# Altium PCB ASM001-design.PcbDoc (part 1 of 2) (continued)
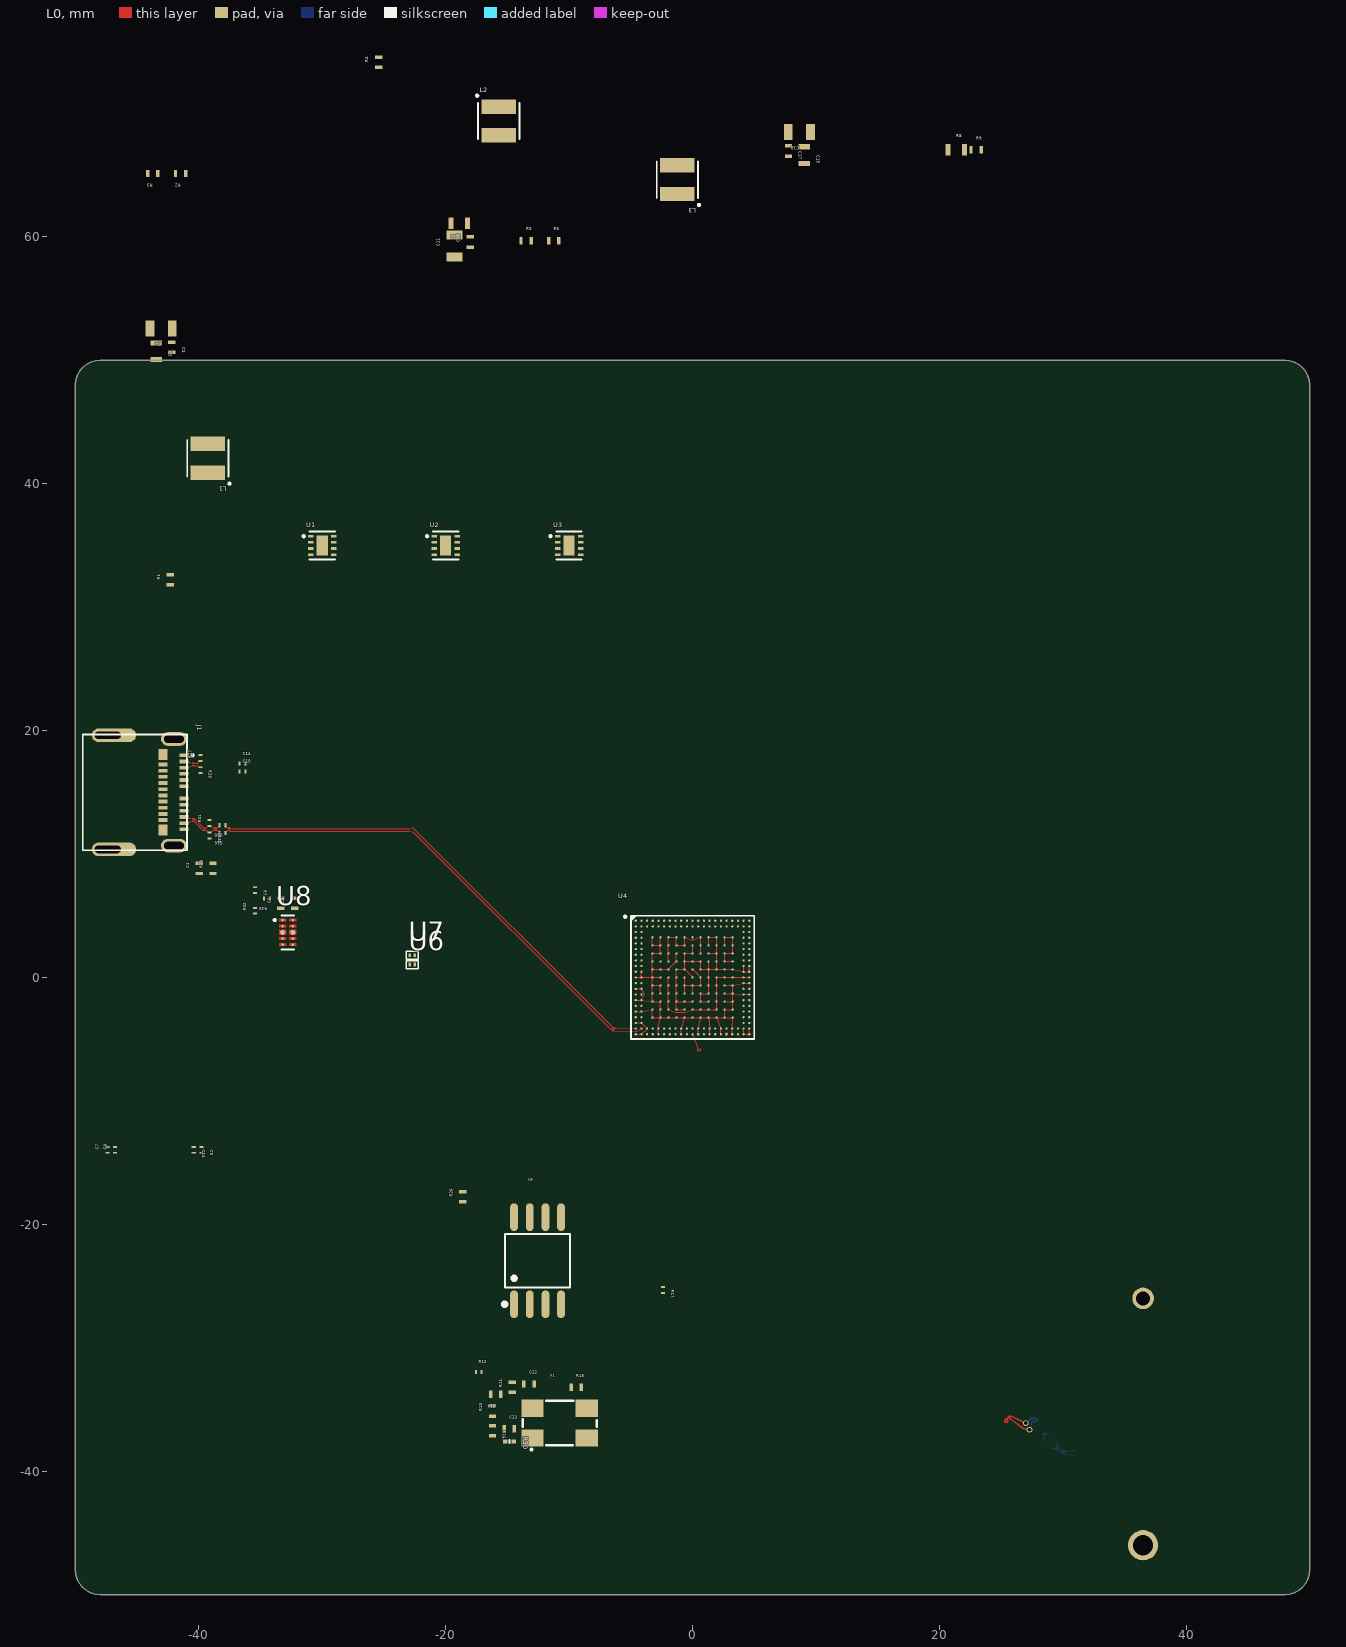
[diagram p0: L0 view]
## Classes and differential pairs
component class ASM001-design-1: C35 C36 J1 U5 U6 U7
component class ASM001-design-4: C22 C23 R10 R11 R12 R13 R14 R15 R16 X1
component class ASM001-design-2: C1 C2 C3 C4 C5 C6 C7 C8 C9 C10 C11 C12 C13 C14 C15 C16 C17 C18 C19 C20 JITX1 L1 L2 L3 R1 R2 R3 R4 R5 R6 R7 R8 R9 R17 R26 R27 R28 R29 R30 R31 R32 R33 TXT1 U1 U2 U3 U8
component class ASM001-design-5: J2
component class ASM001-design-3: U4
differential pair X_B: +X_B_P -X_B_N
differential pair asm2464pdx_usb-c_lane1_RX: +asm2464pdx_usb-c_lane1_RX_P -asm2464pdx_usb-c_lane1_RX_N
differential pair asm2464pdx_usb-c_lane0_TX: +asm2464pdx_usb-c_lane0_TX_P -asm2464pdx_usb-c_lane0_TX_N
differential pair asm2464pdx_usb-c_lane0_RX: +asm2464pdx_usb-c_lane0_RX_P -asm2464pdx_usb-c_lane0_RX_N
differential pair asm2464pdx_usb-c_data: +asm2464pdx_usb-c_data_P -asm2464pdx_usb-c_data_N

## Components (designator, comment, footprint, x,y, rotation, side; value= is the part's Value field where it differs from the comment)
C1 "C106208$1" Pkg0402$8 -39.957,8.834 r180 top value=4.7n
C2 "C338130" Pkg0402$1 -33.347,6.005 r180 top value=2.2n
C3 "C106208$2" Pkg0402$15 -42.178,51.065 r0 top value=4.7n
C4 "C87997$1" Pkg0805 -43.056,52.593 r270 top value=22u
C5 "C19702$2" Pkg0603$3 -43.456,50.74 r0 top value=10u
C6 "C338130" Pkg0402$1 -32.244,6.005 r180 top value=2.2n
C7 "C76931" Pkg0201 -47.407,-13.965 r180 top value=220n
C8 "C76931" Pkg0201 -46.777,-13.965 r180 top value=220n
C9 "C76931" Pkg0201 -39.782,-13.965 r0 top value=220n
C10 "C106208" Pkg0402$11 -18.017,59.585 r180 top value=4.7n
C11 "C87997" Pkg0805$2 -19.295,59.26 r180 top value=22u
C12 "C19702$1" Pkg0603$2 -18.895,61.113 r270 top value=10u
C13 "C76931" Pkg0201 -40.412,-13.965 r0 top value=220n
C14 "C85926" Pkg0201$3 -36.461,17.323 r90 top value=470n
C15 "C85926" Pkg0201$3 -36.461,16.693 r90 top value=470n
C16 "C85926" Pkg0201$3 -38.076,11.704 r270 top value=470n
C17 "C106208$3" Pkg0402$4 7.774,66.956 r0 top value=4.7n
C18 "C87997$2" Pkg0805$1 8.652,68.484 r270 top value=22u
C19 "C19702" Pkg0603$1 9.052,66.631 r0 top value=10u
C20 "C85926" Pkg0201$3 -38.076,12.334 r270 top value=470n
C22 "C1518208" Pkg0402$2 -13.248,-32.939 r90 top value=1u
C23 "my_capacitor" LP -14.852,-36.571 r90 top value=10p
C35 "block_cap" SMT_0201$1 28.715,-37.789 r220 bottom value=220p
C36 "block_cap" SMT_0201$1 29.274,-37.319 r220 bottom value=220p
J1 "conn_component" USB_TYPE_C_CONNECTOR -45.173,15 r270 top value=2012670005
J2 "component" LP_1_2199230_6 35,-36 r270 bottom value=1-2199230-6
JITX1 "JITX" JITX_SM_LP 10,-5 r180 bottom value=non-BOM
L1 "component$3" MOLDED -39.263,42.065 r180 top value=1u
L2 "component$3" MOLDED -15.702,69.388 r0 top value=1u
L3 "component$3" MOLDED -1.226,64.64 r180 top value=1u
R1 "my_resistor$4" Pkg0402$16 -42.305,32.215 r180 top value=0R
R2 "C364360" Pkg0402$14 -41.478,65.135 r270 top value=6K49
R3 "my_resistor$9" Pkg0402 -43.731,65.135 r270 top value=4K3
R4 "my_resistor$1" Pkg0402$6 -25.428,74.156 r180 top value=0R
R5 "C334647" Pkg0402$9 -13.486,59.686 r90 top value=13K3
R6 "C327340" Pkg0402$13 -11.233,59.686 r90 top value=4K12
R7 "my_resistor" Pkg0201$1 -35.448,7.073 r0 top value=200K
R8 "my_resistor$3" Pkg0603 21.367,67.057 r90 top value=26K1
R9 "my_resistor$6" Pkg0402$7 22.97,67.057 r90 top value=4K12
R10 "C106228" SMT_0201 -14.837,-37.59 r270 top value=0R
R11 "my_resistor$7" Pkg0402$10 -14.602,-33.189 r180 top value=4K7
R12 "my_resistor$8" Pkg0201$2 -17.323,-31.97 r90 top value=100K
R13 "C168199" Pkg0402$5 -16.205,-35.125 r180 top value=12K1
R14 "my_resistor$7" Pkg0402$10 -15.955,-33.772 r270 top value=4K7
R15 "my_resistor$7" Pkg0402$10 -9.409,-33.209 r90 top value=4K7
R16 "my_resistor$7" Pkg0402$10 -16.205,-36.728 r0 top value=4K7
R17 "my_resistor" Pkg0201$1 -2.404,-25.314 r0 top value=200K
R26 "my_resistor$5" Pkg0402$12 -18.613,-17.762 r180 top value=0R
R27 "my_resistor" Pkg0201$1 -39.878,17.78 r180 top value=200K
R28 "my_resistor$2" Pkg0402$3 -38.854,8.834 r180 top value=0R
R29 "my_resistor" Pkg0201$1 -39.878,16.796 r0 top value=200K
R30 "my_resistor" Pkg0201$1 -39.12,11.503 r0 top value=200K
R31 "my_resistor" Pkg0201$1 -39.12,12.523 r180 top value=200K
R32 "my_resistor" Pkg0201$1 -35.448,5.407 r180 top value=200K
R33 "my_resistor" Pkg0201$1 -34.465,6.39 r270 top value=200K
TXT1 "ASM2464PDX_4x_M_2_board___Version_0_2_2025_02_07" TEXT_LP 0,45 r180 bottom value="ASM2464PDX 4x M.2 board | Version 0.2 2025-02-07"
U1 "component$1" SON50P200X200_9N -30,35 r0 top value=TPS62082DSG
U2 "component$1" SON50P200X200_9N -20,35 r0 top value=TPS62082DSG
U3 "component$1" SON50P200X200_9N -10,35 r0 top value=TPS62082DSG
U4 "component$2" BGA273N46P21X21_1000X1000X98 0,0 r0 top value=ASM2464PDX
U5 "C82344" LP$1 -12.553,-22.949 r0 top value=W25Q32JVSSIQ
U6 "C535164" LP$3 -22.708,1.042 r0 top value="ESD132-B1-W0201 E6327"
U7 "C535164" LP$3 -22.708,1.804 r0 top value="ESD132-B1-W0201 E6327"
U8 "device" USON_10 -32.797,3.652 r0 top value=ESD224DQAR
X1 "C1985419" LP$2 -10.767,-36.106 r0 top value=ABMM2-25.000MHZ-D1-T

## Footprints (in the part's own frame and the unit in brackets; to place one, negate y for a bottom-side part, rotate by r counter-clockwise, add the part's x,y. Pads: shape width x height; smd on the part's side, far side on the other; paste and mask are expansions set on the pad)
BGA273N46P21X21_1000X1000X98 [mm] "BGA273N46P21X21_1000X1000X98"
  round 0.18 smd: A1(-4.6,4.6) A2(-4.14,4.6) A3(-3.68,4.6) A4(-3.22,4.6) A5(-2.76,4.6) A6(-2.3,4.6) A7(-1.84,4.6) A8(-1.38,4.6) A9(-0.92,4.6) A10(-0.46,4.6) A11(0,4.6) A12(0.46,4.6) A13(0.92,4.6) A14(1.38,4.6) A15(1.84,4.6) A16(2.3,4.6) A17(2.76,4.6) A18(3.22,4.6) A19(3.68,4.6) A20(4.14,4.6) A21(4.6,4.6) AA1(-4.6,-4.6) AA2(-4.14,-4.6) AA3(-3.68,-4.6) AA4(-3.22,-4.6) AA5(-2.76,-4.6) AA6(-2.3,-4.6) AA7(-1.84,-4.6) AA8(-1.38,-4.6) AA9(-0.92,-4.6) AA10(-0.46,-4.6) AA11(0,-4.6) AA12(0.46,-4.6) AA13(0.92,-4.6) AA14(1.38,-4.6) AA15(1.84,-4.6) AA16(2.3,-4.6) AA17(2.76,-4.6) AA18(3.22,-4.6) AA19(3.68,-4.6) AA20(4.14,-4.6) AA21(4.6,-4.6) B1(-4.6,4.14) B2(-4.14,4.14) B3(-3.68,4.14) B4(-3.22,4.14) B5(-2.76,4.14) B6(-2.3,4.14) B7(-1.84,4.14) B8(-1.38,4.14) B9(-0.92,4.14) B10(-0.46,4.14) B11(0,4.14) B12(0.46,4.14) B13(0.92,4.14) B14(1.38,4.14) B15(1.84,4.14) B16(2.3,4.14) B17(2.76,4.14) B18(3.22,4.14) B19(3.68,4.14) B20(4.14,4.14) B21(4.6,4.14) C1(-4.6,3.68) C2(-4.14,3.68) C20(4.14,3.68) C21(4.6,3.68) D1(-4.6,3.22) D2(-4.14,3.22) D4(-3.25,3.25) D5(-2.6,3.25) D6(-1.95,3.25) D8(-1.3,3.25) D9(-0.65,3.25) D11(0,3.25) D13(0.65,3.25) D14(1.3,3.25) D16(1.95,3.25) D17(2.6,3.25) D18(3.25,3.25) D20(4.14,3.22) D21(4.6,3.22) E1(-4.6,2.76) E2(-4.14,2.76) E4(-3.25,2.6) E5(-2.6,2.6) E6(-1.95,2.6) E8(-1.3,2.6) E9(-0.65,2.6) E11(0,2.6) E13(0.65,2.6) E14(1.3,2.6) E16(1.95,2.6) E17(2.6,2.6) E18(3.25,2.6) E20(4.14,2.76) E21(4.6,2.76) F1(-4.6,2.3) F2(-4.14,2.3) F4(-3.25,1.95) F5(-2.6,1.95) F6(-1.95,1.95) F8(-1.3,1.95) F9(-0.65,1.95) F11(0,1.95) F13(0.65,1.95) F14(1.3,1.95) F16(1.95,1.95) F17(2.6,1.95) F18(3.25,1.95) F20(4.14,2.3) F21(4.6,2.3) G1(-4.6,1.84) G2(-4.14,1.84) G20(4.14,1.84) G21(4.6,1.84) H1(-4.6,1.38) H2(-4.14,1.38) H4(-3.25,1.3) H5(-2.6,1.3) H6(-1.95,1.3) H8(-1.3,1.3) H9(-0.65,1.3) H11(0,1.3) H13(0.65,1.3) H14(1.3,1.3) H16(1.95,1.3) H17(2.6,1.3) H18(3.25,1.3) H20(4.14,1.38) H21(4.6,1.38) J1(-4.6,0.92) J2(-4.14,0.92) J4(-3.25,0.65) J5(-2.6,0.65) J6(-1.95,0.65) J8(-1.3,0.65) J9(-0.65,0.65) J11(0,0.65) J13(0.65,0.65) J14(1.3,0.65) J16(1.95,0.65) J17(2.6,0.65) J18(3.25,0.65) J20(4.14,0.92) J21(4.6,0.92) K1(-4.6,0.46) K2(-4.14,0.46) K20(4.14,0.46) K21(4.6,0.46) L1(-4.6,0) L2(-4.14,0) L4(-3.25,0) L5(-2.6,0) L6(-1.95,0) L8(-1.3,0) L9(-0.65,0) L11(0,0) L13(0.65,0) L14(1.3,0) L16(1.95,0) L17(2.6,0) L18(3.25,0) L20(4.14,0) L21(4.6,0) M1(-4.6,-0.46) M2(-4.14,-0.46) M20(4.14,-0.46) M21(4.6,-0.46) N1(-4.6,-0.92) N2(-4.14,-0.92) N4(-3.25,-0.65) N5(-2.6,-0.65) N6(-1.95,-0.65) N8(-1.3,-0.65) N9(-0.65,-0.65) N11(0,-0.65) N13(0.65,-0.65) N14(1.3,-0.65) N16(1.95,-0.65) N17(2.6,-0.65) N18(3.25,-0.65) N20(4.14,-0.92) N21(4.6,-0.92) P1(-4.6,-1.38) P2(-4.14,-1.38) P4(-3.25,-1.3) P5(-2.6,-1.3) P6(-1.95,-1.3) P8(-1.3,-1.3) P9(-0.65,-1.3) P11(0,-1.3) P13(0.65,-1.3) P14(1.3,-1.3) P16(1.95,-1.3) P17(2.6,-1.3) P18(3.25,-1.3) P20(4.14,-1.38) P21(4.6,-1.38) R1(-4.6,-1.84) R2(-4.14,-1.84) R20(4.14,-1.84) R21(4.6,-1.84) T1(-4.6,-2.3) T2(-4.14,-2.3) T4(-3.25,-1.95) T5(-2.6,-1.95) T6(-1.95,-1.95) T8(-1.3,-1.95) T9(-0.65,-1.95) T11(0,-1.95) T13(0.65,-1.95) T14(1.3,-1.95) T16(1.95,-1.95) T17(2.6,-1.95) T18(3.25,-1.95) T20(4.14,-2.3) T21(4.6,-2.3) U1(-4.6,-2.76) U2(-4.14,-2.76) U4(-3.25,-2.6) U5(-2.6,-2.6) U6(-1.95,-2.6) U8(-1.3,-2.6) U9(-0.65,-2.6) U11(0,-2.6) U13(0.65,-2.6) U14(1.3,-2.6) U16(1.95,-2.6) U17(2.6,-2.6) U18(3.25,-2.6) U20(4.14,-2.76) U21(4.6,-2.76) V1(-4.6,-3.22) V2(-4.14,-3.22) V4(-3.25,-3.25) V5(-2.6,-3.25) V6(-1.95,-3.25) V8(-1.3,-3.25) V9(-0.65,-3.25) V11(0,-3.25) V13(0.65,-3.25) V14(1.3,-3.25) V16(1.95,-3.25) V17(2.6,-3.25) V18(3.25,-3.25) V20(4.14,-3.22) V21(4.6,-3.22) W1(-4.6,-3.68) W2(-4.14,-3.68) W20(4.14,-3.68) W21(4.6,-3.68) Y1(-4.6,-4.14) Y2(-4.14,-4.14) Y3(-3.68,-4.14) Y4(-3.22,-4.14) Y5(-2.76,-4.14) Y6(-2.3,-4.14) Y7(-1.84,-4.14) Y8(-1.38,-4.14) Y9(-0.92,-4.14) Y10(-0.46,-4.14) Y11(0,-4.14) Y12(0.46,-4.14) Y13(0.92,-4.14) Y14(1.38,-4.14) Y15(1.84,-4.14) Y16(2.3,-4.14) Y17(2.76,-4.14) Y18(3.22,-4.14) Y19(3.68,-4.14) Y20(4.14,-4.14) Y21(4.6,-4.14)
  silkscreen extent -5.61,-5 5,5.08
JITX_SM_LP [mm] "JITX_SM_LP"
  silkscreen extent 1.7,1.38 17.59,11.38
LP [mm] "LP"
  rect 0.6x0.28 smd: 1(0,0.41) 2(0,-0.41)
  body extent -0.25,-0.5 0.25,0.5
LP$1 [mm] "LP$1"
  oval 0.63x2.25 smd: 1(-1.905,-3.53) 2(-0.635,-3.53) 3(0.635,-3.53) 4(1.905,-3.53) 5(1.905,3.531) 6(0.635,3.531) 7(-0.635,3.531) 8(-1.905,3.531)
  silkscreen extent -2.82,-3.68 2.64,2.18, body extent -2.65,-3.95 2.65,3.95
LP$2 [mm] "LP$2"
  rect 1.8x1.4 smd: 1(-2.2,-1.2) 2(2.2,-1.2) 3(2.2,1.199) 4(-2.2,1.199)
  silkscreen extent -3,-2.14 3,1.8, body extent -3,-1.8 3,1.8
LP$3 [mm] "LP$3"
  rect 0.2x0.3 smd: 1(-0.2,0) 2(0.2,0)
  silkscreen extent -0.5,-0.33 0.5,0.33, body extent -0.29,-0.14 0.29,0.14
LP_1_2199230_6 [mm] "LP_1_2199230_6"
  rect 0.3x1.55 smd: 1(-9.25,3.775) 2(-9,-3.775) 3(-8.75,3.775) 4(-8.5,-3.775) 5(-8.25,3.775) 6(-8,-3.775) 7(-7.75,3.775) 8(-7.5,-3.775) 9(-7.25,3.775) 10(-7,-3.775) 11(-6.75,3.775) 12(-6.5,-3.775) 13(-6.25,3.775) 14(-6,-3.775) 15(-5.75,3.775) 16(-5.5,-3.775) 17(-5.25,3.775) 18(-5,-3.775) 19(-4.75,3.775) 20(-4.5,-3.775) 21(-4.25,3.775) 22(-4,-3.775) 23(-3.75,3.775) 24(-3.5,-3.775) 25(-3.25,3.775) 26(-3,-3.775) 27(-2.75,3.775) 28(-2.5,-3.775) 29(-2.25,3.775) 30(-2,-3.775) 31(-1.75,3.775) 32(-1.5,-3.775) 33(-1.25,3.775) 34(-1,-3.775) 35(-0.75,3.775) 36(-0.5,-3.775) 37(-0.25,3.775) 38(0,-3.775) 39(0.25,3.775) 40(0.5,-3.775) 41(0.75,3.775) 42(1,-3.775) 43(1.27,3.556) 44(1.5,-3.775) 45(1.75,3.775) 46(2,-3.775) 47(2.25,3.775) 48(2.5,-3.775) 49(2.75,3.775) 50(3,-3.775) 51(3.25,3.775) 52(3.5,-3.775) 53(3.75,3.775) 54(4,-3.775) 55(4.25,3.775) 56(4.5,-3.775) 57(4.75,3.775) 58(5,-3.775) 67(7.25,3.775) 68(7.5,-3.775) 69(7.75,3.775) 70(8,-3.775) 71(8.25,3.775) 72(8.5,-3.775) 73(8.75,3.775) 74(9,-3.775) 75(9.25,3.775)
  round 1.75 hole 1.15: MH1(-10,-1.5)
  round 2.45 hole 1.65: MH2(10,-1.5)
  rect 1.2x2.75 smd: MP1(-10.35,3) MP2(10.35,3)
  silkscreen extent -9.27,5.03 -9.2,5.1
MOLDED [mm] "MOLDED"
  rect 2.79x1.167 smd: a(0,1.166) c(0,-1.166)
  L0 pour cut-out: -1.395,0.583 -1.395,-0.583 1.395,-0.583 1.395,0.583
  silkscreen extent -1.9,-1.48 1.67,2.21
Pkg0201 [mm] "Pkg0201"
  rect 0.33x0.158 smd: 1(0,0.236) 2(0,-0.236)
  body extent -0.15,-0.3 0.15,0.3
Pkg0201$1 [mm] "Pkg0201$1"
  rect 0.33x0.158 smd: 1(0,0.236) 2(0,-0.236)
Pkg0201$2 [mm] "Pkg0201$2"
  rect 0.33x0.158 smd: 1(0,0.236) 2(0,-0.236)
Pkg0201$3 [mm] "Pkg0201$3"
  rect 0.33x0.158 smd: 1(0,0.236) 2(0,-0.236)
  body extent -0.15,-0.3 0.15,0.3
Pkg0402 [mm] "Pkg0402"
  rect 0.6x0.28 smd: 1(0,0.41) 2(0,-0.41)
Pkg0402$1 [mm] "Pkg0402$1"
  rect 0.6x0.28 smd: 1(0,0.41) 2(0,-0.41)
  body extent -0.25,-0.5 0.25,0.5
Pkg0402$2 [mm] "Pkg0402$2"
  rect 0.6x0.28 smd: 1(0,0.41) 2(0,-0.41)
  body extent -0.25,-0.5 0.25,0.5
Pkg0402$3 [mm] "Pkg0402$3"
  rect 0.6x0.28 smd: 1(0,0.41) 2(0,-0.41)
Pkg0402$4 [mm] "Pkg0402$4"
  rect 0.6x0.28 smd: 1(0,0.41) 2(0,-0.41)
  body extent -0.25,-0.5 0.25,0.5
Pkg0402$5 [mm] "Pkg0402$5"
  rect 0.6x0.28 smd: 1(0,0.41) 2(0,-0.41)
  body extent -0.25,-0.5 0.25,0.5
Pkg0402$6 [mm] "Pkg0402$6"
  rect 0.6x0.28 smd: 1(0,0.41) 2(0,-0.41)
Pkg0402$7 [mm] "Pkg0402$7"
  rect 0.6x0.28 smd: 1(0,0.41) 2(0,-0.41)
Pkg0402$8 [mm] "Pkg0402$8"
  rect 0.6x0.28 smd: 1(0,0.41) 2(0,-0.41)
  body extent -0.25,-0.5 0.25,0.5
Pkg0402$9 [mm] "Pkg0402$9"
  rect 0.6x0.28 smd: 1(0,0.41) 2(0,-0.41)
  body extent -0.25,-0.5 0.25,0.5
Pkg0402$10 [mm] "Pkg0402$10"
  rect 0.6x0.28 smd: 1(0,0.41) 2(0,-0.41)
Pkg0402$11 [mm] "Pkg0402$11"
  rect 0.6x0.28 smd: 1(0,0.41) 2(0,-0.41)
  body extent -0.25,-0.5 0.25,0.5
Pkg0402$12 [mm] "Pkg0402$12"
  rect 0.6x0.28 smd: 1(0,0.41) 2(0,-0.41)
Pkg0402$13 [mm] "Pkg0402$13"
  rect 0.6x0.28 smd: 1(0,0.41) 2(0,-0.41)
  body extent -0.25,-0.5 0.25,0.5
Pkg0402$14 [mm] "Pkg0402$14"
  rect 0.6x0.28 smd: 1(0,0.41) 2(0,-0.41)
  body extent -0.25,-0.5 0.25,0.5
Pkg0402$15 [mm] "Pkg0402$15"
  rect 0.6x0.28 smd: 1(0,0.41) 2(0,-0.41)
  body extent -0.25,-0.5 0.25,0.5
Pkg0402$16 [mm] "Pkg0402$16"
  rect 0.6x0.28 smd: 1(0,0.41) 2(0,-0.41)
Pkg0603 [mm] "Pkg0603"
  rect 0.95x0.412 smd: 1(0,0.669) 2(0,-0.669)
Pkg0603$1 [mm] "Pkg0603$1"
  rect 0.95x0.412 smd: 1(0,0.669) 2(0,-0.669)
  body extent -0.4,-0.8 0.4,0.8
Pkg0603$2 [mm] "Pkg0603$2"
  rect 0.95x0.412 smd: 1(0,0.669) 2(0,-0.669)
  body extent -0.4,-0.8 0.4,0.8
Pkg0603$3 [mm] "Pkg0603$3"
  rect 0.95x0.412 smd: 1(0,0.669) 2(0,-0.669)
  body extent -0.4,-0.8 0.4,0.8
Pkg0805 [mm] "Pkg0805"
  rect 1.3x0.711 smd: 1(0,0.895) 2(0,-0.895)
  body extent -0.65,-1 0.65,1
Pkg0805$1 [mm] "Pkg0805$1"
  rect 1.3x0.711 smd: 1(0,0.895) 2(0,-0.895)
  body extent -0.65,-1 0.65,1
Pkg0805$2 [mm] "Pkg0805$2"
  rect 1.3x0.711 smd: 1(0,0.895) 2(0,-0.895)
  body extent -0.65,-1 0.65,1
SMT_0201 [mm] "SMT_0201"
  rect 0.33x0.358 smd: 1(0,0.336) 2(0,-0.336)
  silkscreen extent -0.13,0 0.13,0
SMT_0201$1 [mm] "SMT_0201$1"
  rect 0.33x0.358 smd: 1(0,0.336) 2(0,-0.336)
  silkscreen extent -0.13,0 0.13,0
SON50P200X200_9N [mm] "SON50P200X200_9N"
  rect 0.441x0.22 smd: 1(-0.929,0.75) 2(-0.929,0.25) 3(-0.929,-0.25) 4(-0.929,-0.75) 5(0.929,-0.75) 6(0.929,-0.25) 7(0.929,0.25) 8(0.929,0.75)
  rect 0.9x1.6 smd: 9(0,0)
  silkscreen extent -1.66,-1.14 1.03,1.14
TEXT_LP [mm] "TEXT_LP"
  silkscreen extent -21.69,-0.84 21.69,0.84
USB_TYPE_C_CONNECTOR [mm] "USB_TYPE_C_CONNECTOR"
  rect 0.3x0.7 smd: A1(-3,3.97) A2(-2.5,3.97) A3(-2,3.97) A4(-1.5,3.97) A5(-1,3.97) A6(-0.5,3.97) A7(0.5,3.97) A8(1,3.97) A9(1.5,3.97) A10(2,3.97) A11(2.5,3.97) A12(3,3.97) B2(2.25,2.27) B3(1.75,2.27) B4(1.25,2.27) B5(0.75,2.27) B6(0.25,2.27) B7(-0.25,2.27) B8(-0.75,2.27) B9(-1.25,2.27) B10(-1.75,2.27) B11(-2.25,2.27)
  rect 0.9x0.7 smd: B1(3.05,2.27) B12(-3.05,2.27)
  oval 1.1x2.1 hole 1.6 slot 0.6 at 0 deg: M1(-4.32,3.16) M2(4.32,3.16)
  oval 1.1x3.6 hole 2.1 slot 0.6 at 0 deg copper offset 0,0.5: M3(-4.62,-2.2) M4(4.62,-2.2)
  silkscreen extent -4.7,-4.23 4.7,4.83
USON_10 [mm] "USON_10"
  round 0.2 smd: 1(-0.417,1) 2(-0.417,0.5) 4(-0.417,-0.5) 5(-0.417,-1) 6(0.417,-1) 7(0.417,-0.5) 9(0.417,0.5) 10(0.417,1)
  round 0.4 smd: 3(-0.417,0) 8(0.417,0)
  L0 region: -0.135,0.95 -0.135,1.05 -0.136,1.06 -0.139,1.069 -0.143,1.078 -0.15,1.085 -0.157,1.092 -0.166,1.096 -0.175,1.099 -0.185,1.1 -0.65,1.1 -0.66,1.099 -0.669,1.096 -0.678,1.092 -0.685,1.085 -0.692,1.078 -0.696,1.069 -0.699,1.06 -0.7,1.05 -0.7,0.95 -0.699,0.94 -0.696,0.931 -0.692,0.922 -0.685,0.915 -0.678,0.908 -0.669,0.904 -0.66,0.901 -0.65,0.9 -0.185,0.9 -0.175,0.901 -0.166,0.904 -0.157,0.908 -0.15,0.915 -0.143,0.922 -0.139,0.931 -0.136,0.94
  L0 region: 0.7,0.95 0.7,1.05 0.699,1.06 0.696,1.069 0.692,1.078 0.685,1.085 0.678,1.092 0.669,1.096 0.66,1.099 0.65,1.1 0.185,1.1 0.175,1.099 0.166,1.096 0.157,1.092 0.15,1.085 0.143,1.078 0.139,1.069 0.136,1.06 0.135,1.05 0.135,0.95 0.136,0.94 0.139,0.931 0.143,0.922 0.15,0.915 0.157,0.908 0.166,0.904 0.175,0.901 0.185,0.9 0.65,0.9 0.66,0.901 0.669,0.904 0.678,0.908 0.685,0.915 0.692,0.922 0.696,0.931 0.699,0.94
  L0 region: -0.135,0.45 -0.135,0.55 -0.136,0.56 -0.139,0.569 -0.143,0.578 -0.15,0.585 -0.157,0.592 -0.166,0.596 -0.175,0.599 -0.185,0.6 -0.65,0.6 -0.66,0.599 -0.669,0.596 -0.678,0.592 -0.685,0.585 -0.692,0.578 -0.696,0.569 -0.699,0.56 -0.7,0.55 -0.7,0.45 -0.699,0.44 -0.696,0.431 -0.692,0.422 -0.685,0.415 -0.678,0.408 -0.669,0.404 -0.66,0.401 -0.65,0.4 -0.185,0.4 -0.175,0.401 -0.166,0.404 -0.157,0.408 -0.15,0.415 -0.143,0.422 -0.139,0.431 -0.136,0.44
  L0 region: 0.7,0.45 0.7,0.55 0.699,0.56 0.696,0.569 0.692,0.578 0.685,0.585 0.678,0.592 0.669,0.596 0.66,0.599 0.65,0.6 0.185,0.6 0.175,0.599 0.166,0.596 0.157,0.592 0.15,0.585 0.143,0.578 0.139,0.569 0.136,0.56 0.135,0.55 0.135,0.45 0.136,0.44 0.139,0.431 0.143,0.422 0.15,0.415 0.157,0.408 0.166,0.404 0.175,0.401 0.185,0.4 0.65,0.4 0.66,0.401 0.669,0.404 0.678,0.408 0.685,0.415 0.692,0.422 0.696,0.431 0.699,0.44
  L0 region: -0.135,-0.15 -0.135,0.15 -0.136,0.16 -0.139,0.169 -0.143,0.178 -0.15,0.185 -0.157,0.192 -0.166,0.196 -0.175,0.199 -0.185,0.2 -0.65,0.2 -0.66,0.199 -0.669,0.196 -0.678,0.192 -0.685,0.185 -0.692,0.178 -0.696,0.169 -0.699,0.16 -0.7,0.15 -0.7,-0.15 -0.699,-0.16 -0.696,-0.169 -0.692,-0.178 -0.685,-0.185 -0.678,-0.192 -0.669,-0.196 -0.66,-0.199 -0.65,-0.2 -0.185,-0.2 -0.175,-0.199 -0.166,-0.196 -0.157,-0.192 -0.15,-0.185 -0.143,-0.178 -0.139,-0.169 -0.136,-0.16
  L0 region: 0.7,-0.15 0.7,0.15 0.699,0.16 0.696,0.169 0.692,0.178 0.685,0.185 0.678,0.192 0.669,0.196 0.66,0.199 0.65,0.2 0.185,0.2 0.175,0.199 0.166,0.196 0.157,0.192 0.15,0.185 0.143,0.178 0.139,0.169 0.136,0.16 0.135,0.15 0.135,-0.15 0.136,-0.16 0.139,-0.169 0.143,-0.178 0.15,-0.185 0.157,-0.192 0.166,-0.196 0.175,-0.199 0.185,-0.2 0.65,-0.2 0.66,-0.199 0.669,-0.196 0.678,-0.192 0.685,-0.185 0.692,-0.178 0.696,-0.169 0.699,-0.16
  L0 region: -0.135,-0.55 -0.135,-0.45 -0.136,-0.44 -0.139,-0.431 -0.143,-0.422 -0.15,-0.415 -0.157,-0.408 -0.166,-0.404 -0.175,-0.401 -0.185,-0.4 -0.65,-0.4 -0.66,-0.401 -0.669,-0.404 -0.678,-0.408 -0.685,-0.415 -0.692,-0.422 -0.696,-0.431 -0.699,-0.44 -0.7,-0.45 -0.7,-0.55 -0.699,-0.56 -0.696,-0.569 -0.692,-0.578 -0.685,-0.585 -0.678,-0.592 -0.669,-0.596 -0.66,-0.599 -0.65,-0.6 -0.185,-0.6 -0.175,-0.599 -0.166,-0.596 -0.157,-0.592 -0.15,-0.585 -0.143,-0.578 -0.139,-0.569 -0.136,-0.56
  L0 region: 0.7,-0.55 0.7,-0.45 0.699,-0.44 0.696,-0.431 0.692,-0.422 0.685,-0.415 0.678,-0.408 0.669,-0.404 0.66,-0.401 0.65,-0.4 0.185,-0.4 0.175,-0.401 0.166,-0.404 0.157,-0.408 0.15,-0.415 0.143,-0.422 0.139,-0.431 0.136,-0.44 0.135,-0.45 0.135,-0.55 0.136,-0.56 0.139,-0.569 0.143,-0.578 0.15,-0.585 0.157,-0.592 0.166,-0.596 0.175,-0.599 0.185,-0.6 0.65,-0.6 0.66,-0.599 0.669,-0.596 0.678,-0.592 0.685,-0.585 0.692,-0.578 0.696,-0.569 0.699,-0.56
  L0 region: -0.135,-1.05 -0.135,-0.95 -0.136,-0.94 -0.139,-0.931 -0.143,-0.922 -0.15,-0.915 -0.157,-0.908 -0.166,-0.904 -0.175,-0.901 -0.185,-0.9 -0.65,-0.9 -0.66,-0.901 -0.669,-0.904 -0.678,-0.908 -0.685,-0.915 -0.692,-0.922 -0.696,-0.931 -0.699,-0.94 -0.7,-0.95 -0.7,-1.05 -0.699,-1.06 -0.696,-1.069 -0.692,-1.078 -0.685,-1.085 -0.678,-1.092 -0.669,-1.096 -0.66,-1.099 -0.65,-1.1 -0.185,-1.1 -0.175,-1.099 -0.166,-1.096 -0.157,-1.092 -0.15,-1.085 -0.143,-1.078 -0.139,-1.069 -0.136,-1.06
  L0 region: 0.7,-1.05 0.7,-0.95 0.699,-0.94 0.696,-0.931 0.692,-0.922 0.685,-0.915 0.678,-0.908 0.669,-0.904 0.66,-0.901 0.65,-0.9 0.185,-0.9 0.175,-0.901 0.166,-0.904 0.157,-0.908 0.15,-0.915 0.143,-0.922 0.139,-0.931 0.136,-0.94 0.135,-0.95 0.135,-1.05 0.136,-1.06 0.139,-1.069 0.143,-1.078 0.15,-1.085 0.157,-1.092 0.166,-1.096 0.175,-1.099 0.185,-1.1 0.65,-1.1 0.66,-1.099 0.669,-1.096 0.678,-1.092 0.685,-1.085 0.692,-1.078 0.696,-1.069 0.699,-1.06
  silkscreen extent -1.21,-1.38 0.53,1.38
